# Altium PCB DesignProject_00.PcbDoc (part 1 of 2)
Units mil, origin at the board's own origin, x right, y up, seen from the top; angles counter-clockwise.
Board outline 3250 x 2010 mil, 2 copper layers (Top Layer, Bottom Layer); 143 components, 116 nets, 553 pads, 186 vias.
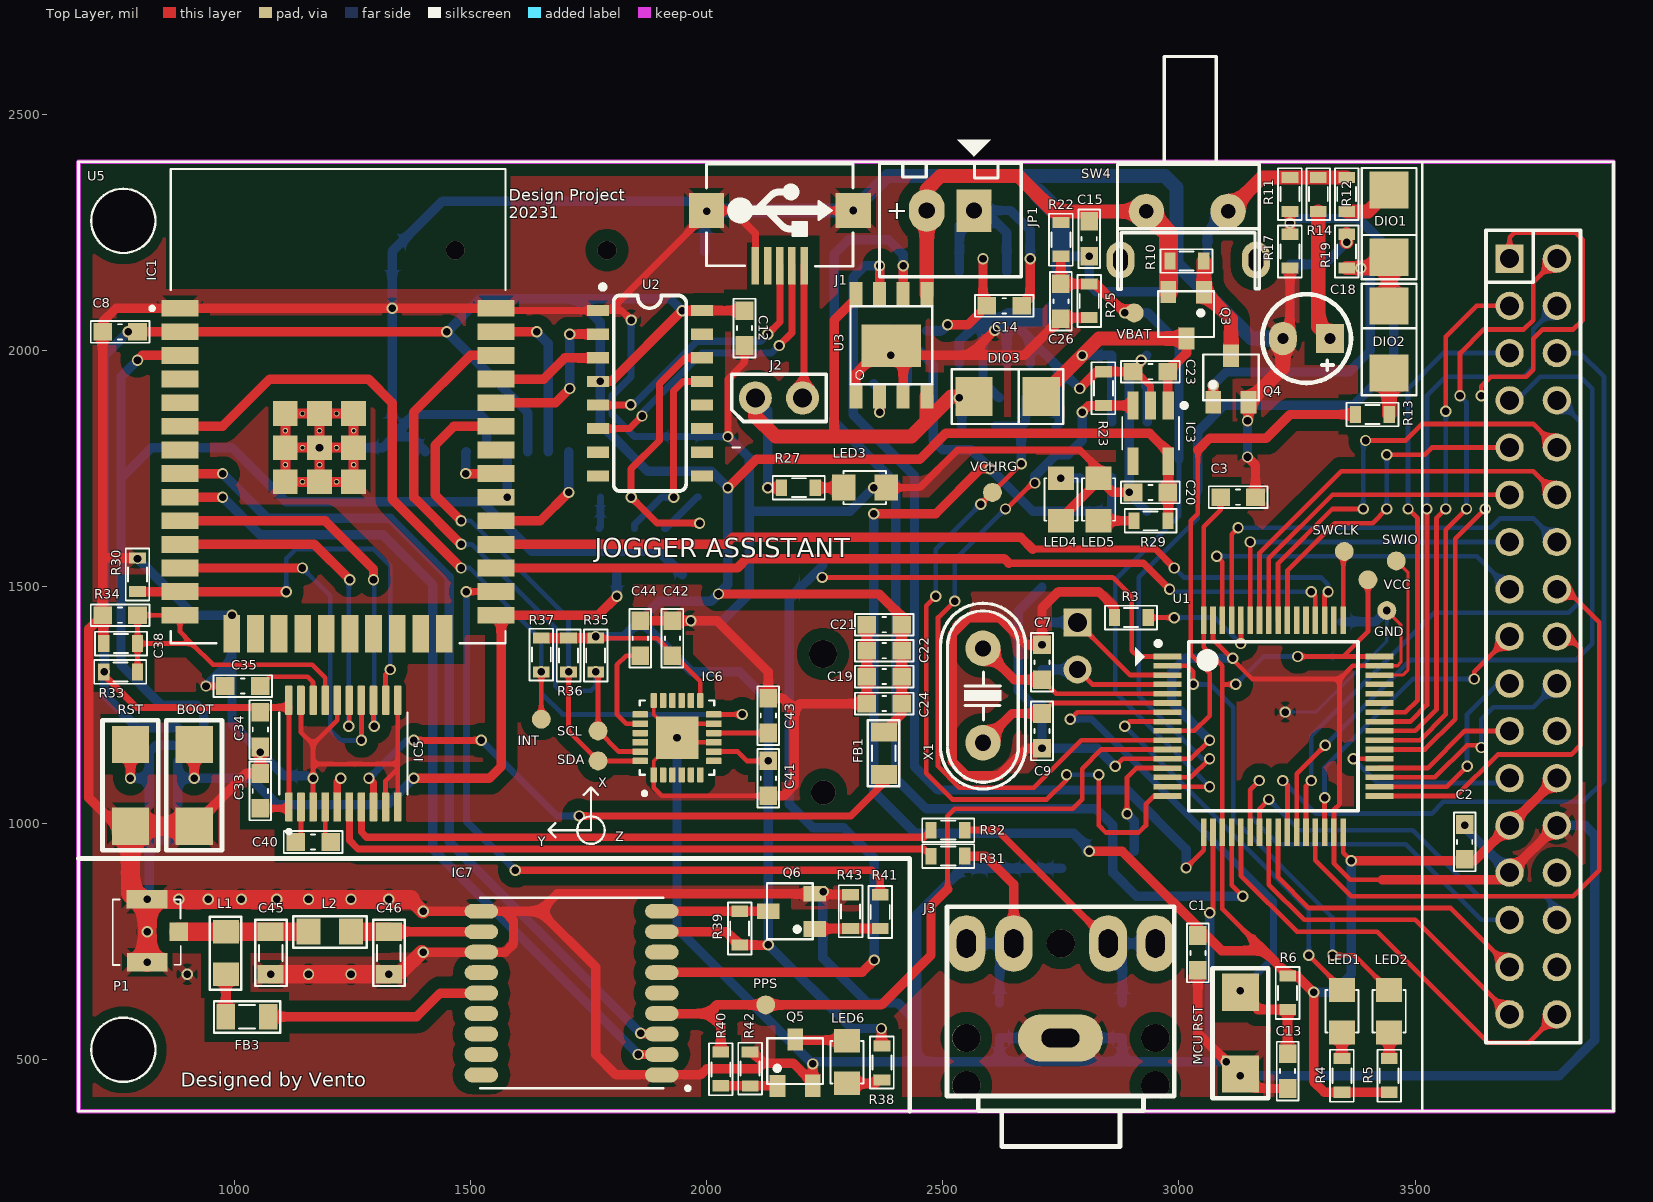
[diagram p0: Top Layer view]
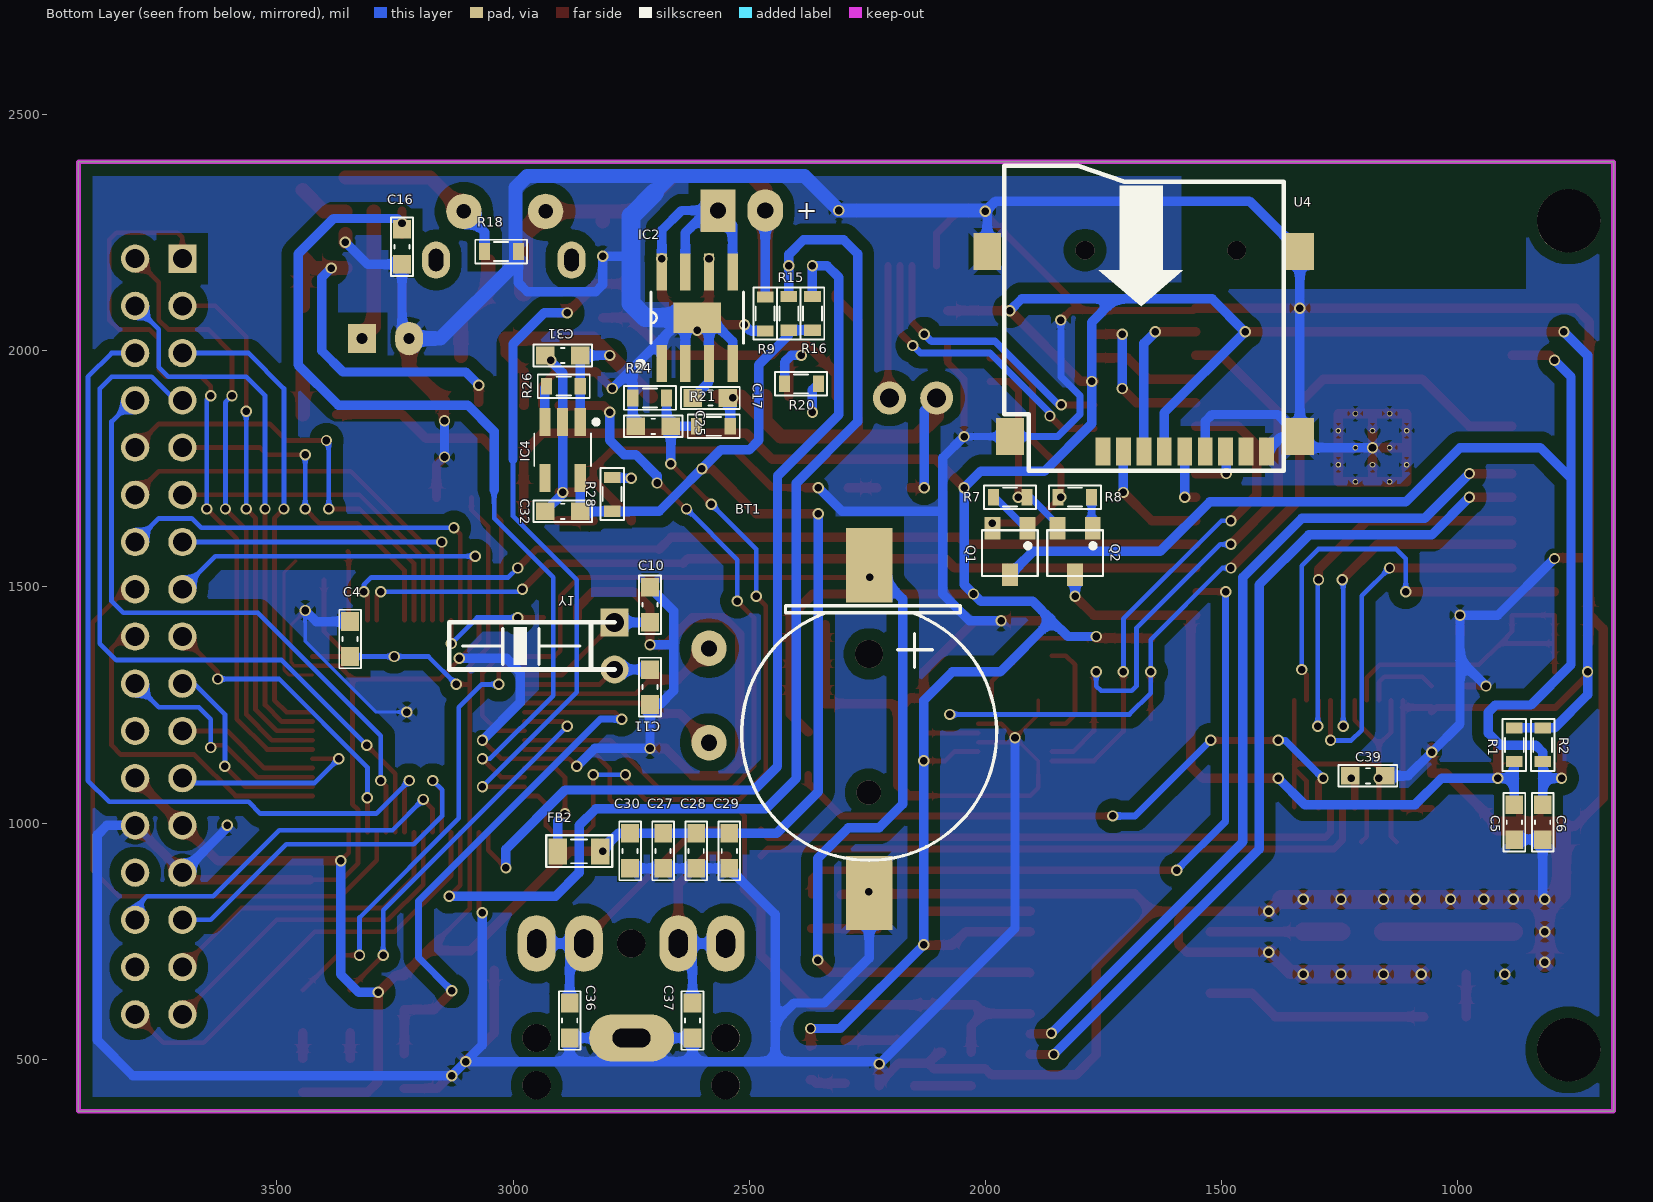
[diagram p1: Bottom Layer view, seen from below]
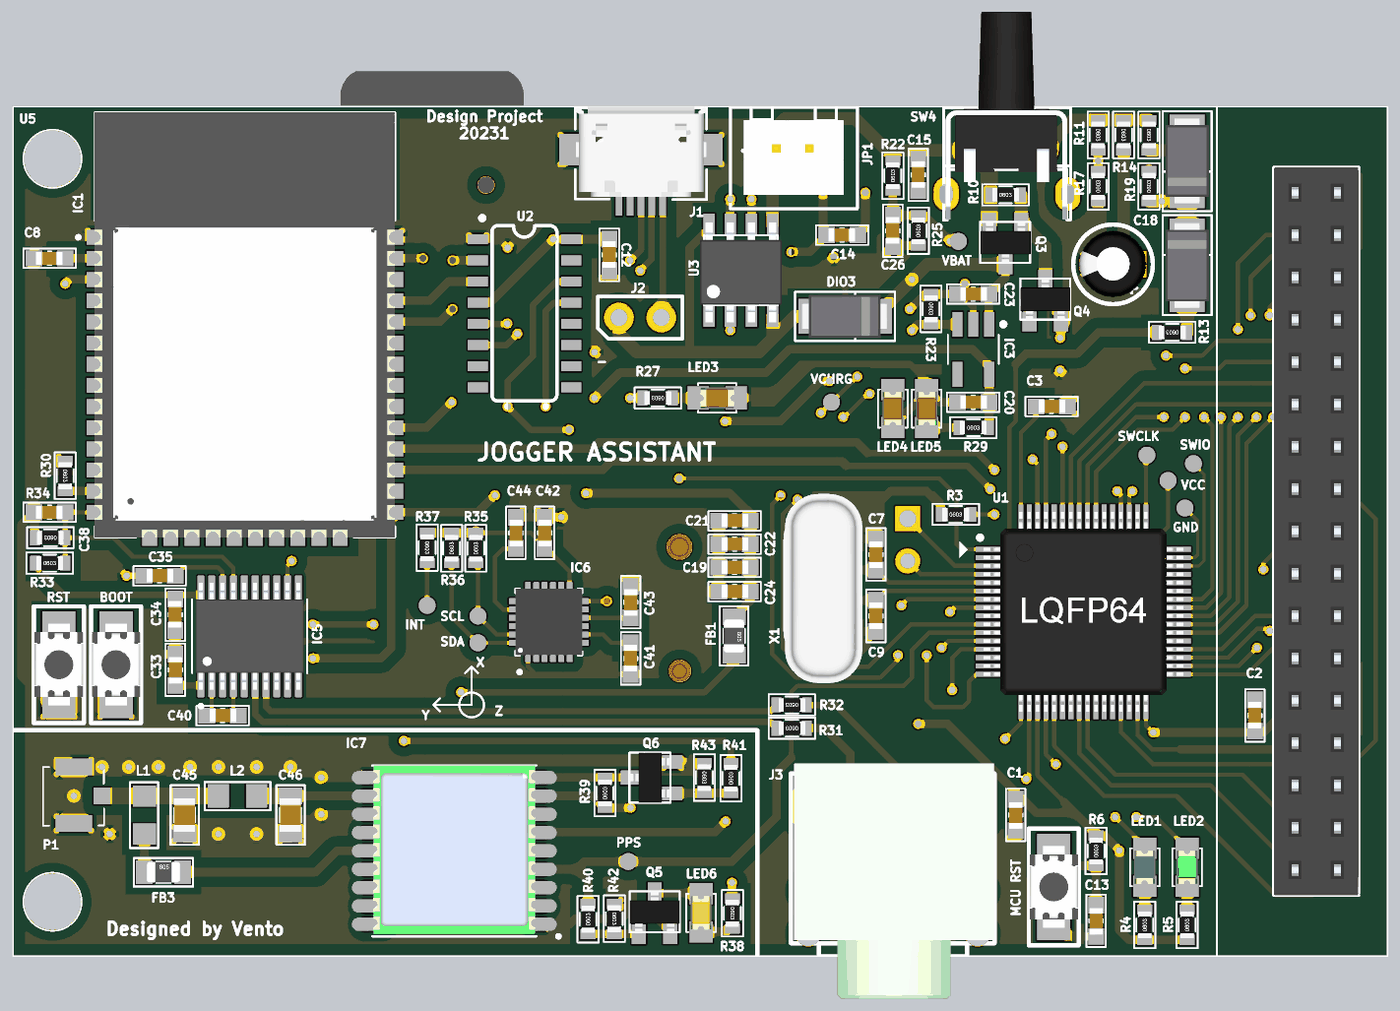
[diagram p3: 3D render of the assembled board from above, using the file's embedded part models]
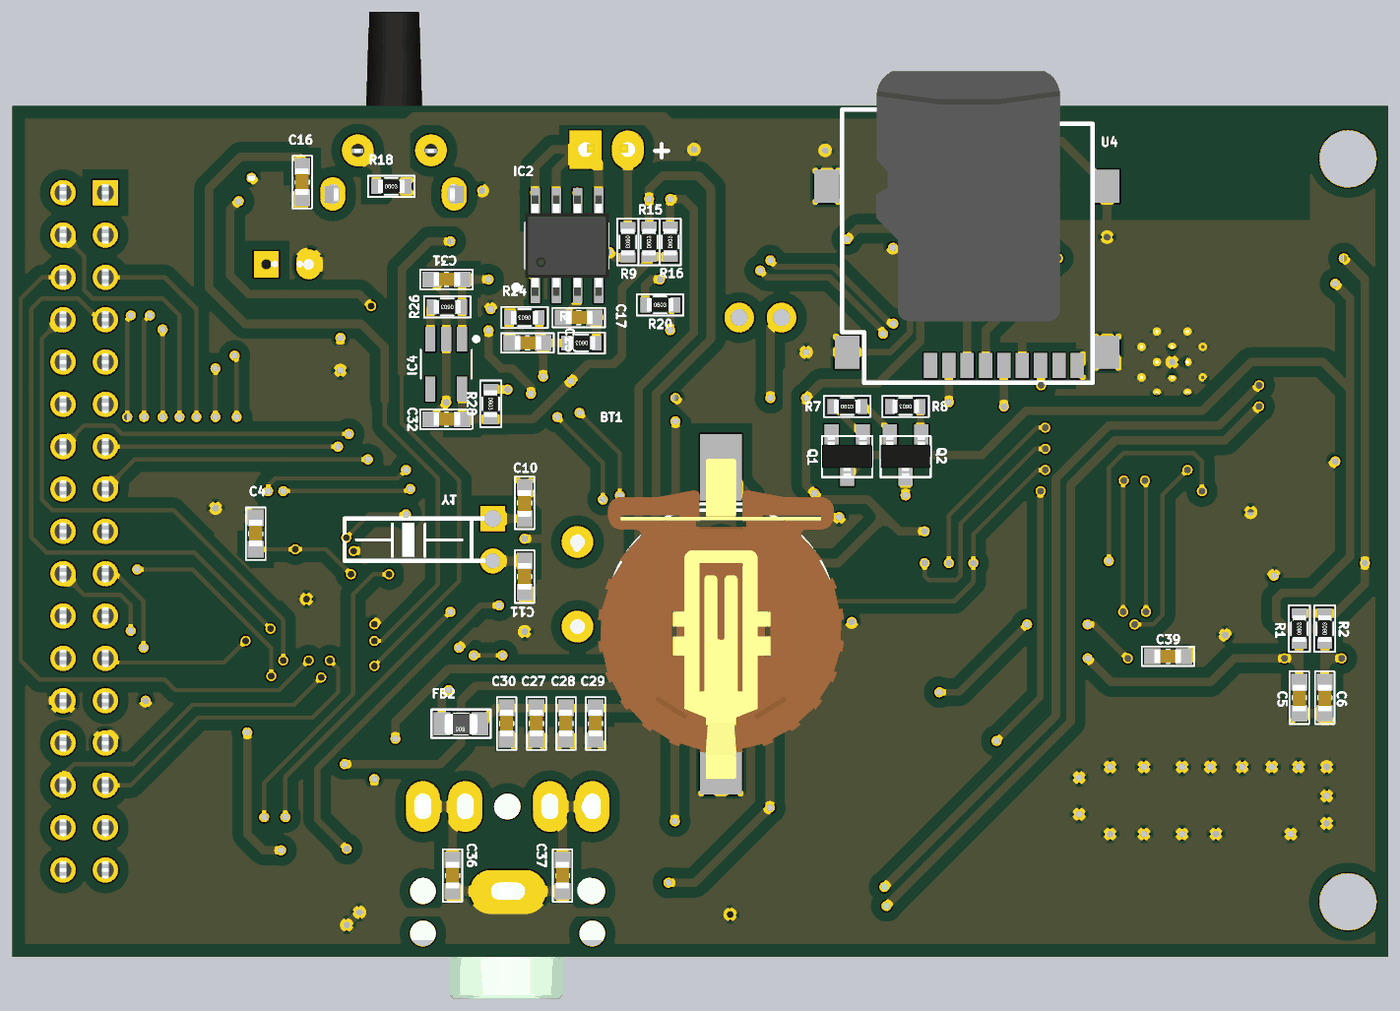
[diagram p4: 3D render of the assembled board from below, using the file's embedded part models]

## Layer stack, top to bottom
Top Solder: solder mask 0.4, Solder Resist, Dk 3.5
Top Layer: signal copper 1.4
Dielectric 1: dielectric 12.6, FR-4, Dk 4.8
Bottom Layer: signal copper 1.4
Bottom Solder: solder mask 0.4, Solder Resist, Dk 3.5

## Board outline
670,390 3920,390 3920,2400 670,2400

## Design rules (kind name [scope] priority, off if disabled: settings)
Clearance [All] p1: gap=25 ignorepadtopadclearanceinfootprint=TRUE except(0: Arc-Text Arc-Hole Track-Text Track-Hole SMDPad-Text SMDPad-Hole THPad-Text THPad-Hole Via-Text Via-Hole Fill-Text Fill-Hole Poly-Text Poly-Hole Region-Text Region-Hole Text-Text Text-Hole; 7: Arc-Arc Arc-Track Arc-SMDPad Track-Track Track-SMDPad SMDPad-SMDPad; 10: Arc-THPad Arc-Via Track-THPad Track-Via SMDPad-THPad SMDPad-Via THPad-THPad THPad-Via Via-Via)
DiffPairsRouting [All] p1: maxlimit=10 minlimit=10 mostfreqgap=10 toplayer_minwidth=15 toplayer_maxwidth=15 toplayer_prefwidth=15 bottomlayer_minwidth=15 bottomlayer_maxwidth=15 bottomlayer_prefwidth=15 maxuncoupledlength=500
PolygonConnect [All] p1: connectstyle=Relief reliefconductorwidth=15 reliefentries=4 polygonreliefangle="45 Angle" airgapwidth=10
RoutingVias [All] p1: holewidth=16 width=24 viastyle="Through Hole" minholewidth=16 minwidth=24 maxholewidth=20 maxwidth=30
SolderMaskExpansion [All] p1: expansion=4 istentingtop=FALSE
Width [All] p1: maxlimit=40 minlimit=7 preferedwidth=20
29 further rules are at their usual default settings.

## Classes and differential pairs
component class U_Sensor: C41 C42 C43 C44 IC6 INT R35 R36 R37 SCL SDA
component class U_Power: 2 BT1 C14 C15 C16 C17 C18 C19 C20 C21 C22 C23 C24 C25 C26 C27 C28 C29 C30 C31 C32 DIO1 DIO2 DIO3 FB1 FB2 IC2 IC3 IC4 JP1 LED3 LED4 LED5 Q3 Q4 R9 R10 R11 R12 R13 R14 R15 R16 R17 R18 R19 R20 R21 R22 R23 R24 R25 R26 R27 R28 R29 U3 VBAT VCHRG
component class U_MCUs: boot BOOT C1 C2 C3 C4 C5 C6 C7 C8 C9 C10 C11 C12 C13 GND IC1 J1 J2 LED1 LED2 "MCU RST" Q1 Q2 R1 R2 R3 R4 R5 R6 R7 R8 RST SWCLK SWIO U1 U2 VCC X1 Y1
component class U_GPS: C45 C46 FB3 IC7 L1 L2 LED6 P1 PPS Q5 Q6 R38 R39 R40 R41 R42 R43
component class U_Audio: C33 C34 C35 C36 C37 C38 C39 C40 IC5 J3 R30 R31 R32 R33 R34 U4
differential pair U: +U_P -U_N

## Components (designator, comment, footprint, x,y, rotation, side; value= is the part's Value field where it differs from the comment)
BOOT "SW" "SW 3x2x4" 915,1080 r90 top value="SW chip 2 pin" (schematic designator SW1)
BT1 "PIN 3V" "CR1220 SMD" 2255,1205 r0 bottom
C1 "100nF" CAP_0603 3040,725 r270 top value=33p
C2 "100nF" CAP_0603 3605,960 r90 top value=33p
C3 "100nF" CAP_0603 3125,1690 r0 top value=33p
C4 "100nF" CAP_0603 3345,1389.64 r90 bottom value=33p
C5 "100nF" CAP_0603 880,1002 r270 bottom value=33p
C6 "100nF" CAP_0603 820,1002 r270 bottom value=33p
C7 "33pF" CAP_0603 2710,1340.58 r270 top value=33p
C8 "10uF" CAP_0603 758,2040 r180 top value=33p
C9 "33pF" CAP_0603 2710,1195 r90 top value=33p
C10 "10pF" CAP_0603 2710,1462 r270 bottom value=33p
C11 "10pF" CAP_0603 2710,1288 r90 bottom value=33p
C12 "100nF" CAP_0603 2080,2048 r90 top value=33p
C13 "100nF" CAP_0603 3230,475 r270 top value=33p
C14 "100nF" CAP_0603 2630,2095 r180 top value=33p
C15 "10uF" CAP_0603 2810,2237 r90 top value=33p
C16 "10uF" CAP_0603 3235,2220 r90 bottom value=33p
C17 "10uF" CAP_0603 2582.03,1900 r180 bottom value=33p
C18 "22uF/10V" C3MM 3270,2025.78 r180 top
C19 "10uF" CAP_0603 2376.01,1310 r0 top value=33p
C20 "1uF" CAP_0603 2939.6,1700 r0 top value=33p
C21 "100nF" CAP_0603 2376.01,1420 r0 top value=33p
C22 "33pF" CAP_0603 2376.01,1364.83 r0 top value=33p
C23 "10uF" CAP_0603 2939.6,1955.55 r0 top value=33p
C24 "10uF" CAP_0603 2376.01,1252.83 r0 top value=33p
C25 "10uF" CAP_0603 2702.97,1840 r180 bottom value=33p
C26 "10uF" CAP_0603 2750,2105 r90 top value=33p
C27 "10uF" CAP_0603 2682.17,941 r90 bottom value=33p
C28 "1uF" CAP_0603 2612.17,941 r90 bottom value=33p
C29 "100nF" CAP_0603 2542.17,941 r90 bottom value=33p
C30 "33pF" CAP_0603 2752.17,941 r90 bottom value=33p
C31 "10uF" CAP_0603 2894.6,1990 r180 bottom value=33p
C32 "10uF" CAP_0603 2894.6,1660 r180 bottom value=33p
C33 "100nF" CAP_0603 1055,1068 r270 top value=33p
C34 "100nF" CAP_0603 1055,1198 r90 top value=33p
C35 "100nF" CAP_0603 1018,1290 r0 top value=33p
C36 "2.2nF" CAP_0603 2880,582 r90 bottom value=33p
C37 "2.2nF" CAP_0603 2620,582 r90 bottom value=33p
C38 "100nF" CAP_0603 758,1440 r180 top value=33p
C39 "2.2uF" CAP_0603 1190,1100 r0 bottom value=33p
C40 "2.2uF" CAP_0603 1166.69,960 r0 top value=33p
C41 "100nF" CAP_0603 2130.51,1094.57 r90 top value=33p
C42 "10nF" CAP_0603 1927.4,1391.49 r270 top value=33p
C43 "100nF" CAP_0603 2130.51,1227.63 r270 top value=33p
C44 "2.2nF" CAP_0603 1859.49,1391.49 r270 top value=33p
C45 "NC" CAP_0805 1077,724.92 r90 top value=33p
C46 "NC" CAP_0805 1327,724.92 r90 top value=33p
DIO1 "SS34" DIO-214AC(SMA) 3443,2266 r90 top value=1N5007
DIO2 "SS34" DIO-214AC(SMA) 3447,2026.8 r270 top value=1N5007
DIO3 "1N4007" DIO-214AC(SMA) 2640,1901 r180 top value=1N5007
FB1 "10R" RES-SMD-0805 2375.01,1147.83 r270 top
FB2 "10R" RES-SMD-0805 2860,940 r0 bottom
FB3 "10R" RES-SMD-0805 1027,589.92 r0 top
GND "TP" TP_SMD 3440,1450 r90 top (schematic designator TP4)
IC1 "ESP32-WROOM-32" MODULE_ESP32-WROOM-32 1219.65,1882.91 r0 top
IC2 "XB8688A" SOP8-PP 2610,2070 r90 bottom
IC3 "RT9013" SOT23-5 2940,1825 r270 top
IC4 "RT9013" SOT23-5 2895,1790 r270 bottom
IC5 "PCM5102APW" TSSOP-20 1230.67,1147.01 r90 top
IC6 "MPU6050" QFN24 1937.24,1180.79 r90 top
IC7 "GPS" L70 1714.06,640 r180 top
INT "TP" TP_SMD 1650,1220 r90 top (schematic designator TP7)
J1 "USB-5" USB-M1 2155,2180 r0 top
J2 "JP2" JP2-CLOSED 2103,1900 r90 top
J3 "Jac Phone2" JacPhone2 2750,645 r180 top
JP1 "JP2" CON2 2566,2296.84 r180 top value="Connector 2"
L1 "47nH" L-0805 982,724.92 r270 top value="150 mH"
L2 "0R" L-0805 1202,769.92 r0 top value="150 mH"
LED1 "LED" LED-0805-Blue 3345,556.49 r90 top value="LED 3 ly Single Colour"
LED2 "LED" LED-0805-Green 3445,556.49 r90 top value="LED 3 ly Single Colour"
LED3 "LED" LED-0805-Red 2290,1710 r0 top value="LED 3 ly Single Colour"
LED4 "LED" LED-0805-Red 2750,1730 r270 top value="LED 3 ly Single Colour"
LED5 "LED" LED-0805-Red 2830,1640 r90 top value="LED 3 ly Single Colour"
LED6 "LED" LED-0805-Orange 2297,448.77 r90 top value="LED 3 ly Single Colour"
"MCU RST" "SW" "SW 3x2x4" 3130,555 r90 top value="SW chip 2 pin" (schematic designator SW3)
P1 "Antenna" IPXS 865.66,770.32 r0 top
PPS "TP" TP_SMD 2125,615 r90 top (schematic designator TP10)
Q1 "2SC1815" SOT23D 1948,1575 r0 bottom value=C1815
Q2 "2SC1815" SOT23D 1810,1575 r0 bottom value=C1815
Q3 "AO3401" SOT23A 3016.2,2075 r180 top
Q4 "2SC1815" SOT23D 3110,1940 r0 top value=C1815
Q5 "2SC1815" SOT23D 2187.4,492.68 r0 top value=C1815
Q6 "2SC1815" SOT23D 2179.72,813.23 r90 top value=C1815
R1 "10k" RES-SMD-0603 880,1165 r90 bottom
R2 "10k" RES-SMD-0603 820,1165 r90 bottom
R3 "150k" RES-SMD-0603 2898.51,1435 r0 top
R4 "1k" RES-SMD-0603 3345,465 r90 top
R5 "1k" RES-SMD-0603 3445,465 r90 top
R6 "10k" RES-SMD-0603 3230,640 r90 top
R7 "10k" RES-SMD-0603 1948,1690 r180 bottom
R8 "10k" RES-SMD-0603 1810,1690 r0 bottom
R9 "1k" RES-SMD-0603 2466,2078.51 r270 bottom
R10 "150k" RES-SMD-0603 3016,2190 r0 top
R11 "500k" RES-SMD-0603 3235,2331.49 r270 top
R12 "10k" RES-SMD-0603 3355,2331.49 r270 top
R13 "10k" RES-SMD-0603 3410,1865 r180 top
R14 "150k" RES-SMD-0603 3295,2331.49 r270 top
R15 "150k" RES-SMD-0603 2416,2078.51 r90 bottom
R16 "150k" RES-SMD-0603 2366,2078.51 r90 bottom
R17 "1M5" RES-SMD-0603 3235,2210 r90 top
R18 "150k" RES-SMD-0603 3025,2210 r180 bottom
R19 "150k" RES-SMD-0603 3355,2210 r90 top
R20 "1k2" RES-SMD-0603 2390,1930 r180 bottom
R21 "150k" RES-SMD-0603 2575,1840 r0 bottom
R22 "500k" RES-SMD-0603 2750,2235 r90 top
R23 "150k" RES-SMD-0603 2840,1920.54 r270 top
R24 "150k" RES-SMD-0603 2710,1900 r0 bottom
R25 "1M5" RES-SMD-0603 2810,2105 r90 top
R26 "150k" RES-SMD-0603 2892.6,1925 r0 bottom
R27 "2k" RES-SMD-0603 2195,1710 r180 top
R28 "2k" RES-SMD-0603 2790,1696.49 r270 bottom
R29 "2k" RES-SMD-0603 2940.11,1640 r0 top
R30 "NC" RES-SMD-0603 795,1526.49 r270 top
R31 "470R" RES-SMD-0603 2511.49,930 r180 top
R32 "470R" RES-SMD-0603 2511.49,985 r180 top
R33 "500k" RES-SMD-0603 758.51,1320 r0 top
R34 "1M5" RES-SMD-0603 760,1380 r180 top
R35 "10k" RES-SMD-0603 1765,1355 r90 top
R36 "10k" RES-SMD-0603 1707.69,1355 r90 top
R37 "10k" RES-SMD-0603 1650,1356.49 r270 top
R38 "1k" RES-SMD-0603 2371,492.77 r270 top
R39 "150k" RES-SMD-0603 2070,776.74 r90 top
R40 "1k" RES-SMD-0603 2030,478.68 r90 top
R41 "4k7" RES-SMD-0603 2367.51,811.74 r90 top
R42 "47k" RES-SMD-0603 2092,479.95 r270 top
R43 "47k" RES-SMD-0603 2304.72,813.23 r270 top
RST "SW" "SW 3x2x4" 780,1080 r90 top value="SW chip 2 pin" (schematic designator SW2)
SCL "TP" TP_SMD 1770,1195 r90 top (schematic designator TP8)
SDA "TP" TP_SMD 1770,1131.57 r90 top (schematic designator TP9)
SW4 "SW" SW2-D2 3020,2295 r180 top value="SW chip 2 pin"
SWCLK "TP" TP_SMD 3350,1575 r90 top (schematic designator TP3)
SWIO "TP" TP_SMD 3460,1555 r90 top (schematic designator TP2)
U1 "STM32" "LQFP 64" 3200,1205 r0 top
U2 "CH340C" SOP-16 1880,1910 r270 top
U3 "TP4056" TP4056 2391,2011.73 r90 top
U4 "SD_CARD" MICROSD2 1665,1985 r180 bottom
U5 "LCD TFT" "LCD TFT 2.8\" Parallel 8/16-bit" 3750,1395 r270 top locked
VBAT "TP" TP_SMD 2905,2080 r90 top (schematic designator TP6)
VCC "TP" TP_SMD 3400,1515 r90 top (schematic designator TP1)
VCHRG "TP" TP_SMD 2605,1700 r90 top (schematic designator TP5)
X1 "8MHz" XT2 2585,1270 r90 top value=4Mhz
Y1 "32.768KHz" XTAL32K 2785,1425 r270 bottom

## Footprints (in the part's own frame and the unit in brackets; to place one, negate y for a bottom-side part, rotate by r counter-clockwise, add the part's x,y. Pads: shape width x height; smd on the part's side, far side on the other; paste and mask are expansions set on the pad)
C3MM [mm]
  rect 1.5x1.58 hole 0.6: 1(-1.27,0)
  oval 1.5x1.8 hole 0.6: 2(1.27,0)
  silkscreen extent -2.39,-2.39 2.39,2.39, body extent -2,-2.03 1.99,1.97, height 7.01
CAP_0603 [mm]
  rect 1x0.95 smd mask+0.076: 1(-0.94,0) 2(0.94,0)
  silkscreen extent -1.57,-0.58 1.57,0.58, body extent -0.77,-0.39 0.83,0.41, height 0.9
CAP_0805 [mil]
  rect 39.37x55 smd: 1(-45,0) 2(45,0)
  silkscreen extent -70,-34 70,33, body extent -40,-25 40,25, height 24
CON2 [mil] "CON2"
  rect 75x90 hole 34: 1(0,0)
  oval 75x90 hole 34: 2(100,0)
  silkscreen extent -100,-150 200,140, body extent -68,-70 168,107, height 236
"CR1220 SMD" [mil] "CR1220 SMD"
  rect 98.43x157.48 smd: 1(-9,-341) 2(-9,353)
  silkscreen extent -279,-255 261,284, body extent -299,-362 281,394, height 179
DIO-214AC(SMA) [mm] "DO-214AC Diode Smallest Size"
  rect 2x2.1 smd: 1(1.88,-0.051) 2(-1.732,-0.051)
  silkscreen extent -2.92,-1.52 3.07,1.42, body extent -2.5,-1.35 2.7,1.25, height 2.4
IPXS [mm] "SOT 23 _ 1-3-2"
  rect 1x1 smd: 1(0.415,-0.01)
  rect 2.2x1 smd: 2(-1.273,-1.658) 3(-1.278,1.73)
  silkscreen extent -3.13,-1.79 0.53,1.73, body extent -2.83,-1.49 0.31,1.56, height 1.55
JacPhone2 [mil] "Jac Phone Stereo"
  round 60 hole 60: 0(-200,200) 0(-200,100) 0(0,-100) 0(200,200) 0(200,100)
  oval 80x120 hole 40 slot 60 at 90 deg: 1(-200,-100) 2(-100,-100) 3(100,-100) 4(200,-100)
  oval 180x100 hole 40 slot 80 at 0 deg: 5(1,100)
  silkscreen extent -240,-178 241,330, body extent -239,-202 233,354, height 394
JP2-CLOSED [mil]
  round 70 hole 40: 1(0,0) 2(0,-100)
  silkscreen extent -50,-150 50,50, body extent -50,-152 50,50, height 300
L70 [mm]
  oval 1.8x0.8 smd paste-2: 1(-4.85,4.4) 2(-4.85,3.3) 3(-4.85,2.2) 4(-4.85,1.1) 5(-4.85,0) 6(-4.85,-1.1) 7(-4.85,-2.2) 8(-4.85,-3.3) 9(-4.85,-4.4) 10(4.85,-4.4) 11(4.85,-3.3) 12(4.85,-2.2) 13(4.85,-1.1) 14(4.85,0) 15(4.85,1.1) 16(4.85,2.2) 17(4.85,3.3) 18(4.85,4.4)
  silkscreen extent -6.35,-5.13 4.92,5.22, body extent -4.86,-5.13 4.86,4.98, height 2.5
L-0805 [mil] "Compoment SMD 80x50mil"
  rect 50x55 smd: 1(-45,0) 2(45,0)
  silkscreen extent -77,-34 78,33, body extent -50,-20 50,20, height 43
"LCD TFT 2.8\" Parallel 8/16-bit" [mm]
  rect 1.52x1.52 hole 1.02: 1(-20.32,-1.27)
  round 1.52 hole 1.02: 2(-17.78,-1.27) 3(-15.24,-1.27) 4(-12.7,-1.27) 5(-10.16,-1.27) 6(-7.62,-1.27) 7(-5.08,-1.27) 8(-2.54,-1.27) 9(0,-1.27) 10(2.54,-1.27) 11(5.08,-1.27) 12(7.62,-1.27) 13(10.16,-1.27) 14(12.7,-1.27) 15(15.24,-1.27) 16(17.78,-1.27) 17(20.32,-1.27) 18(20.32,1.27) 19(17.78,1.27) 20(15.24,1.27) 21(12.7,1.27) 22(10.16,1.27) 23(7.62,1.27) 24(5.08,1.27) 25(2.54,1.27) 26(0,1.27) 27(-2.54,1.27) 28(-5.08,1.27) 29(-7.62,1.27) 30(-10.16,1.27) 31(-12.7,1.27) 32(-15.24,1.27) 33(-17.78,1.27) 34(-20.32,1.27)
  round 3.4 hole 3.4: ""(-22.352,-75.819) ""(22.225,-75.819)
  silkscreen extent -25.53,-78.23 25.53,4.32, body extent -21.84,-2.54 21.84,2.54, height 8.51
LED-0805-Blue [mil]
  rect 50x55 smd: 1(0,0) 2(90,0)
  silkscreen extent 0,-35 90,35, body extent 5,-25 85,25, height 43
LED-0805-Green [mil]
  rect 50x55 smd: 1(0,0) 2(90,0)
  silkscreen extent 0,-35 90,35, body extent 5,-25 85,25, height 43
LED-0805-Orange [mil]
  rect 50x55 smd: 1(0,0) 2(90,0)
  silkscreen extent 0,-35 90,35, body extent 5,-25 85,25, height 43
LED-0805-Red [mil]
  rect 50x55 smd: 1(0,0) 2(90,0)
  silkscreen extent 0,-35 90,35, body extent 5,-25 85,25, height 43
"LQFP 64" [mm] "QFP,0.50mm pitch,square;16 pin X 16 pin,10.00mm X 10.00mm X 1.60mm H body"
  rect 1.5x0.3 smd: 1(-5.7,3.75) 2(-5.7,3.25) 3(-5.7,2.75) 4(-5.7,2.25) 5(-5.7,1.75) 6(-5.7,1.25) 7(-5.7,0.75) 8(-5.7,0.25) 9(-5.7,-0.25) 10(-5.7,-0.75) 11(-5.7,-1.25) 12(-5.7,-1.75) 13(-5.7,-2.25) 14(-5.7,-2.75) 15(-5.7,-3.25) 16(-5.7,-3.75) 33(5.7,-3.75) 34(5.7,-3.25) 35(5.7,-2.75) 36(5.7,-2.25) 37(5.7,-1.75) 38(5.7,-1.25) 39(5.7,-0.75) 40(5.7,-0.25) 41(5.7,0.25) 42(5.7,0.75) 43(5.7,1.25) 44(5.7,1.75) 45(5.7,2.25) 46(5.7,2.75) 47(5.7,3.25) 48(5.7,3.75)
  rect 0.3x1.5 smd: 17(-3.75,-5.7) 18(-3.25,-5.7) 19(-2.75,-5.7) 20(-2.25,-5.7) 21(-1.75,-5.7) 22(-1.25,-5.7) 23(-0.75,-5.7) 24(-0.25,-5.7) 25(0.25,-5.7) 26(0.75,-5.7) 27(1.25,-5.7) 28(1.75,-5.7) 29(2.25,-5.7) 30(2.75,-5.7) 31(3.25,-5.7) 32(3.75,-5.7) 49(3.75,5.7) 50(3.25,5.7) 51(2.75,5.7) 52(2.25,5.7) 53(1.75,5.7) 54(1.25,5.7) 55(0.75,5.7) 56(0.25,5.7) 57(-0.25,5.7) 58(-0.75,5.7) 59(-1.25,5.7) 60(-1.75,5.7) 61(-2.25,5.7) 62(-2.75,5.7) 63(-3.25,5.7) 64(-3.75,5.7)
  silkscreen extent -7.44,-4.55 4.55,4.57, body extent -6,-6 6,6, height 1.5
MICROSD2 [mm]
  rect 0.8x1.5 smd: 1(-2.184,-5.039) 2(-1.084,-5.039) 3(0.016,-5.039) 4(1.116,-5.039) 5(2.216,-5.039) 6(3.316,-5.039) 7(4.416,-5.039) 8(5.516,-5.039) 9(6.616,-5.039)
  rect 1.5x2 smd: 10(8.407,-4.235) 11(8.407,5.715) 12(-8.407,5.715) 13(-7.188,-4.235)
  silkscreen extent -7.49,-6.07 7.54,10.33, body extent -7.49,-4.56 7.54,12.62, height 1.85
MODULE_ESP32-WROOM-32 [mm]
  rect 2x0.9 smd: 1(-8.5,5.26) 2(-8.5,3.99) 3(-8.5,2.72) 4(-8.5,1.45) 5(-8.5,0.18) 6(-8.5,-1.09) 7(-8.5,-2.36) 8(-8.5,-3.63) 9(-8.5,-4.9) 10(-8.5,-6.17) 11(-8.5,-7.44) 12(-8.5,-8.71) 13(-8.5,-9.98) 14(-8.5,-11.25) 25(8.5,-11.25) 26(8.5,-9.98) 27(8.5,-8.71) 28(8.5,-7.44) 29(8.5,-6.17) 30(8.5,-4.9) 31(8.5,-3.63) 32(8.5,-2.36) 33(8.5,-1.09) 34(8.5,0.18) 35(8.5,1.45) 36(8.5,2.72) 37(8.5,3.99) 38(8.5,5.26)
  rect 0.9x2 smd: 15(-5.715,-12.25) 16(-4.445,-12.25) 17(-3.175,-12.25) 18(-1.905,-12.25) 19(-0.635,-12.25) 20(0.635,-12.25) 21(1.905,-12.25) 22(3.175,-12.25) 23(4.445,-12.25) 24(5.715,-12.25)
  rect 1.33x1.33 smd: 39_1(-2.835,-0.405) 39_2(-1,-0.405) 39_3(0.835,-0.405) 39_4(-2.835,-2.24) 39_5(-1,-2.24) 39_6(0.835,-2.24) 39_7(-2.835,-4.075) 39_8(-1,-4.075) 39_9(0.835,-4.075)
  round 0.3 hole 0.2: 39_10(-1.917,-0.405) 39_11(-0.082,-0.405) 39_12(-2.835,-1.322) 39_13(-1,-1.322) 39_14(0.835,-1.322) 39_15(-1.917,-2.24) 39_16(-0.082,-2.24) 39_17(-2.835,-3.157) 39_18(-1,-3.157) 39_19(0.835,-3.157) 39_20(-1.917,-4.075) 39_21(-0.082,-4.075)
  silkscreen extent -10.1,-12.75 9,12.75, body extent -9.02,-12.75 8.98,12.75, height 3.2
QFN24 [mm]
  rrect25% 0.8x0.35 smd: 1(-2,1.25) 2(-2,0.75) 3(-2,0.25) 4(-2,-0.25) 5(-2,-0.75) 6(-2,-1.25) 13(2,-1.25) 14(2,-0.75) 15(2,-0.25) 16(2,0.25) 17(2,0.75) 18(2,1.25)
  rrect25% 0.35x0.85 smd: 7(-1.25,-1.975) 8(-0.75,-1.975) 9(-0.25,-1.975) 10(0.25,-1.975) 11(0.75,-1.975) 12(1.25,-1.975) 19(1.25,1.975) 20(0.75,1.975) 21(0.25,1.975) 22(-0.25,1.975) 23(-0.75,1.975) 24(-1.25,1.975)
  rect 2.286x2.286 smd paste-2: 25(0,0)
  silkscreen extent -3.1,-2 2,2, body extent -2,-2.01 2.01,2.01, height 0.9
RES-SMD-0603 [mm]
  rect 0.6x0.9 smd: 1(-0.889,0) 2(0.927,0)
  silkscreen extent -1.4,-0.64 1.4,0.64, body extent -0.8,-0.4 0.8,0.4, height 0.43
RES-SMD-0805 [mil]
  rect 39.37x55 smd: 1(-45,0) 2(45,0)
  silkscreen extent -70,-34 70,33, body extent -39,-25 39,25, height 31
SOP8-PP [mil]
  rect 78x22 smd: 1(-96.99,75.01) 2(-96.99,25.01) 3(-96.99,-24.99) 4(-96.99,-74.99) 5(97.01,-74.99) 6(97.01,-24.99) 7(97.01,25.01) 8(97.01,75.01)
  rect 64x100 smd: 9(0,0)
  silkscreen extent -100,-98 54,121, body extent -119,-99 119,99, height 63
SOP-16 [mm]
  rect 0.6x1.2 smd: 1(-4.445,-2.8) 2(-3.175,-2.8) 3(-1.905,-2.8) 4(-0.635,-2.8) 5(0.635,-2.8) 6(1.905,-2.8) 7(3.175,-2.8) 8(4.445,-2.8) 9(4.445,2.8) 10(3.175,2.8) 11(1.905,2.8) 12(0.635,2.8) 13(-0.635,2.8) 14(-1.905,2.8) 15(-3.175,2.8) 16(-4.445,2.8)
  silkscreen extent -5.84,-2.67 5.26,1.95, body extent -4.95,-3.47 4.95,3.47, height 1.75
SOT23-5 [mm] "SOT23, 5-Leads, Body 3.0x3.0mm (max), Pitch 0.95mm, IPC Medium Density"
  rect 1.5x0.6 smd: 1(-1.5,0.95) 2(-1.5,0) 3(-1.5,-0.95) 4(1.5,-0.95) 5(1.5,0.95)
  silkscreen extent -1.62,-1.52 0.87,1.93, body extent -1.75,-1.52 1.75,1.53, height 1.45
SOT23A [mm] "SOT 23A"
  rect 0.85x1.2 smd: 1(-0.94,-1.245) 2(0.005,1.25) 3(0.985,-1.25)
  silkscreen extent -1.47,-1.3 1.52,1.17, body extent -1.5,-1.3 1.5,1.2, height 1.06
SOT23D [mm] "SOT 23C - 1-3-2 - BCE"
  rect 0.85x1.2 smd: 1(-0.95,-1.25) 2(0.94,-1.245) 3(0,1.25)
  silkscreen extent -1.5,-1.14 1.5,1.32, body extent -1.5,-1.17 1.5,1.33, height 1.06
SW2-D2 [mil] "SW button 2pin, 300x 300 x 250 mil"
  round 75 hole 31: 1(-84,0) 2(89,0)
  oval 59.06x78.74 hole 31 slot 47.24 at 90 deg: G1(-143,103) G2(144,103)
  silkscreen extent -150,-328 150,165, body extent -163,-327 167,163, height 290
"SW 3x2x4" [mm]
  rect 2x2 smd: 1(-2.2,0) 2(2.2,0)
  silkscreen extent -3.5,-1.5 3.5,1.5, body extent -2.45,-1.45 2.45,1.45, height 2
TP4056 [mm]
  rect 1.3x0.7 smd: 1(-2.75,1.905) 2(-2.75,0.635) 3(-2.75,-0.635) 4(-2.75,-1.905) 5(2.75,-1.905) 6(2.75,-0.635) 7(2.75,0.635) 8(2.75,1.905)
  rect 2.3x3.2 smd: 3(-0.025,0)
  silkscreen extent -2.1,-2.2 2.1,2.2, body extent -3.13,-2.45 2.87,2.45, height 1.75
TP_SMD [mil]
  round 40 smd: 1(0,0)
TSSOP-20 [mm] "TSSOP-20"
  rrect25% 1.57x0.41 smd: 1(-2.87,2.925) 2(-2.87,2.275) 3(-2.87,1.625) 4(-2.87,0.975) 5(-2.87,0.325) 6(-2.87,-0.325) 7(-2.87,-0.975) 8(-2.87,-1.625) 9(-2.87,-2.275) 10(-2.87,-2.925) 11(2.87,-2.925) 12(2.87,-2.275) 13(2.87,-1.625) 14(2.87,-0.975) 15(2.87,-0.325) 16(2.87,0.325) 17(2.87,0.975) 18(2.87,1.625) 19(2.87,2.275) 20(2.87,2.925)
  silkscreen extent -4.29,-3.45 2.2,3.45, body extent -3.2,-3.25 3.2,3.25, height 1.2
USB-M1 [mm]
  rect 0.4x2 smd: 1(1.3,0) 2(0.65,0) 3(0,0) 4(-0.65,0) 5(-1.321,0)
  rect 1.9x1.9 smd: 5(-3.95,2.968) 5(3.95,2.968)
  silkscreen extent -3.94,-0.03 3.94,5.46, body extent -3.98,0.11 4,5.54, height 2.71
XT2 [mil] "Footpin for Crystal 2 pin"
  round 75 hole 34: 1(-100,0) 2(100,0)
  silkscreen extent -198,-90 195,90, body extent -233,-93 213,90, height 138
XTAL32K [mm] "Connector; Header; 2 Position"
  rect 1.5x1.5 hole 1.016: 1(0,0)
  round 1.5 hole 0.9: 2(2.54,0)
  silkscreen extent 0,-8.89 2.54,0, body extent -0.55,-8.96 3.05,0.26, height 3.8

## Part data
BOOT "MCU RST" RST SW4: library part SW2, "Switch button 2 pin"
BT1: "Battery 3VDC"
C1 C2 C3 C4 C5 C6 C7 C8 C9 C10 C11 C12 C13 C14 C15 C16 C17 C19 C20 C21 C22 C23 C24 C25 C26 C27 C28 C29 C30 C31 C32 C33 C34 C35 C36 C37 C38 C39 C40 C41 C42 C43 C44 C45 C46: library part CapSMD, "Capacitor", LatestRevisionDate=17-Jul-2002, LatestRevisionNote="Re-released for DXP Platform.", PackageReference=RAD-0.3, Published=8-Jun-2000, Publisher="Altium Limited"
C18: library part "Cap Pol", "Polarized Capacitor (Axial)", LatestRevisionDate=17-Jul-2002, LatestRevisionNote="Re-released for DXP Platform.", PackageReference=POLAR0.8, Published=8-Jun-2000, Publisher="Altium Limited"
DIO1 DIO2 DIO3: library part "Diode SMD", "Default Diode", Code - JEDEC=DO-214-AB, Published=8-Jun-2000, Publisher="Altium Limited", Revision="July-2002: Re-released for DXP Platform."
FB1 FB2 FB3: library part "Ferrit Bead", "Generic Ferrit Bead"
GND INT PPS SCL SDA SWCLK SWIO VBAT VCC VCHRG: "CONNECT 1"
IC1: "Bluetooth, WiFi Transceiver Module 2.4GHz ~ 2.5GHz Surface Mount", Package="Module Espressif Systems", Digi-Key_Part_Number=1904-1010-1-ND, Digi-Key_Purchase_URL=https://www.digikey.com/product-detail/en/espressif-systems/ESP32-WROOM-32/1904-1010-1-ND/8544305?utm_source=snapeda&utm_medium=aggregator&utm_campaign=symbol, MF="Espressif Systems", MP=ESP32-WROOM-32, SnapEDA_Link=https://www.snapeda.com/parts/ESP32-WROOM-32/Espressif%20Systems/view-part/2753322/?ref=snap
IC2: library part XB8688, "One Cell Lithium-ion/Polymer Battery Protection IC"
IC3 IC4: "RT9013-33GB IC REG LINEAR 3.3V 500mA SOT23-5"
IC5: "Audio decode"
IC6: library part MPU6050_Chip, "3-axis gyroscope, 3-axis accelerometer"
IC7: library part L70, "Quectel GPS IC"
J1: Manufacturer=FCI, Manufacturer Part Number=10118193-0001LF, Supplier Part Number 1=609-4616-1-ND, .Checked PCB=RF, .Checked SCH=MM, .Creator=MM, Category="Connectors, Interconnects", ComponentLink1Description=http://portal.fciconnect.com/Comergent//fci/drawing/10118193.pdf, ComponentLink1URL=http://portal.fciconnect.com/Comergent//fci/drawing/10118193.pdf, Connector Type="USB - micro B", Features="Shielded, Solder Retention", Gender=Receptacle, Ingress Protection=-, Mounting Type="Surface Mount, Right Angle, Horizontal", Number of Contacts=5, Packaging="Cut Tape (CT)", Pricing 1="1=0.46, 10=0.433, 25=0.3712, 50=0.3156, 100=0.3032, 250=0.27224, 500=0.25988 (USD)", RoHS="RoHS Compliant", Specifications="USB 2.0", Stock 1=28642, Supplier 1=Digi-Key
J2: "WR-PHD 2.54 mm Angled Socket Header", Manufacturer="W¨¹rth Elektronik eiSos GmbH", partNo=613002143121, ComponentLink1 Description=Manufacturer, ComponentLink1URL=http://www.we-online.com, ComponentLink2 Description=Datasheet, ComponentLink2URL=http://katalog.we-online.de/em/datasheet/6130xx143121.pdf, Created by="Karrer Zheng", Created Date="29 March 2013", NoPins=02
J3: "Jac Phone Stereo", Creat by=VanDungEvn@Gmail.com
JP1: library part Con2, "Connector 2"
L1 L2: library part "Inductor Ferit", "Inductor"
LED1 LED2 LED3 LED4 LED5 LED6: "LED Single colour Green and Red"
P1: library part IPXSx66, "Antenna GSM GPS"
Q1 Q2 Q4 Q5 Q6: library part C1815, "NPN 600mW, ECB"
Q3: library part MOSFET_P, "Generic P Channel MOSFET"
R1 R2 R3 R4 R5 R6 R7 R8 R9 R10 R11 R12 R13 R14 R15 R16 R17 R18 R19 R20 R21 R22 R23 R24 R25 R26 R27 R28 R29 R30 R31 R32 R33 R34 R35 R36 R37 R38 R39 R40 R41 R42 R43: library part "Resistor - SMD", "Resistor SMD", Manufacturer="Generic Components", Class=Passive, Published=08/06/2000, Publisher="Altium Hobart Technology Centre"
U1: library part STM32F103RCT6, "STM32 ARM-based 32-bit MCU 72MHz 256KB"
U2: "USB to serial chip CH340", Package=Package, Availability=Unavailable, Check_prices=https://www.snapeda.com/parts/CH340C/WCH/view-part/5428851/?ref=eda, MF=WCH, MP=CH340C, Price=None, SnapEDA_Link=https://www.snapeda.com/parts/CH340C/WCH/view-part/5428851/?ref=snap
U3: "Complete single cell Li-Ion battery with a constant current / constant voltage linear charger"
U4: library part MicroSD, "SD/MMC holder", Name=SD/MMC, Price=10000
U5: library part "LCD TFT 16-bit", "LCD TFT 16-bit"
X1: library part XT2, "Crystal For all Crystal 2pin."
Y1: library part XTAL/32KHz, "Crystal Oscillator", LatestRevisionDate=17-Jul-2002, LatestRevisionNote="Re-released for DXP Platform.", PackageReference=R38, Published=8-Jun-2000, Publisher="Altium Limited"

## Via types
v1: diameter 24, hole 16, Top Layer to Bottom Layer, 182 vias
v2: diameter 39.37, hole 39.37, Top Layer to Bottom Layer, 2 vias
v3: diameter 51.18, hole 51.18, Top Layer to Bottom Layer, 1 vias
v4: diameter 59.06, hole 59.06, Top Layer to Bottom Layer, 1 vias

## Nets (pads, with @x,y where several pads share a name; then routed paths per layer and width w, separated by ;. In a path a pad name is that pad's centre, name@x,y a point inside that pad or via, vN(x,y) a via of type N, cw(c..) or ccw(c..) an arc to the next point about the centre after c; other vN are vias at no path point)
1PPS: IC7.4 PPS.1 R40.2 U1.11 | length 1585.1
  Top Layer w10: 2510,860 2510,1015 2525,1030 2775,1030 2795,1050 2795,1115 2835.79,1155.79 U1.11@2975.59,1155.79
  Top Layer w20: IC7.4@1905,596.69 2003.31,596.69 ; R40.2@2030,515.17 2030,570 2003.31,596.69 ; 2510,860 2475,825 2475,720 2370,615 2021.61,615 2003.31,596.69
A0: C16.2 R11.2 R17.2 U1.14 | length 1946.6
  Top Layer w10: U1.14@2975.59,1096.73 3025.36,1096.73 v1(3064.73,1136.1)
  Top Layer w20: R17.2@3235,2246.49 v1(3235,2270) R11.2@3235,2295
  Bottom Layer w10: 3040,1705 3040,1645 2915,1520 2915,1270 3048.9,1136.1 v1(3064.73,1136.1)
  Bottom Layer w20: 3040,1705 3040,1829.05 3095.95,1885 3370,1885 3455,1970 3455,2205 3380,2280 3245,2280 v1(3235,2270) C16.2@3235,2257
A1: C26.2 R22.1 R25.2 U1.15 VBAT.1 | length 1545.9
  Top Layer w10: U1.15@2975.59,1077.05 v1(3064.73,1077.05)
  Top Layer w20: R22.1@2750,2200 C26.2@2750,2142 2750.51,2141.49 R25.2@2810,2141.49 2823.51,2141.49 v1(2885,2080) VBAT.1@2905,2080
  Bottom Layer w10: 3000,1770 3000,1650 2865,1515 2865,1276.78 v1(3064.73,1077.05)
  Bottom Layer w20: v1(2885,2080) 2934.3,2080 3000,2014.3 3000,1770
A2: C25.2 R21.2 R24.1 U1.16 VCHRG.1 | length 1669.8
  Top Layer w10: v1(2485,1480) 2465,1460 2465,1105 2520,1050 2720,1050 2762,1092 v1(2762,1102) ; v1(2580,1675) 2580.47,1675 v1(2665.97,1760.5) ; v1(2830,1102) 2830,995 2845,980 2915,980 2930,995 2930,1040 2947.36,1057.36 U1.16@2975.59,1057.36
  Bottom Layer w10: v1(2485,1480) 2485,1580 v1(2580,1675) ; v1(2762,1102) v1(2830,1102)
  Bottom Layer w20: R21.2@2611.49,1840 C25.2@2665.97,1840 ; v1@2665.47,1760 v1(2665.97,1760.5) C25.2@2665.97,1840 ; R24.1@2675,1900 2675,1849.03 C25.2@2665.97,1840
A3: R16.2 U1.17 U3.7 | length 2058.6
  Top Layer w10: v1(3015,905) 3052.36,942.36 U1.17@3052.36,980.59
  Top Layer w20: U3.7@2366,2120 v1(2366,2180)
  Bottom Layer w20: R16.2@2366,2115 v1(2366,2180) 2335,2180 2310,2155 2310,1865 2440,1735 2440,1565 2440,1120 2490,1070 2889.72,1070 3015,944.72 v1(3015,905)
A4: R15.2 U1.20 U3.6 | length 2526.6
  Top Layer w10: U1.20@3111.42,980.59 3111.42,868.58 v1(3135,845)
  Top Layer w20: U3.6@2416,2120 v1(2416,2180)
  Bottom Layer w20: R15.2@2416,2115 v1(2416,2180) 2416,2204 2385,2235 2300,2235 2270,2205 2270,1850 2400,1720 2400,1095 2465,1030 2825,1030 2860,995 2860,895 2910,845 v1(3135,845)
A5: U1.21 U5.18 | length 932
  Top Layer w10: U1.21@3131.1,980.59 3131.1,888.9 3250,770 3420,770 3655,535 3740,535 U5.18@3800,595
A6: U1.22 U5.15 | length 841.8
  Top Layer w10: U1.22@3150.79,980.59 3150.79,1070.79 v1(3170,1090)
  Bottom Layer w10: v1(3170,1090) 3150,1070 3150,1015 3210,955 3480,955 3640,795 U5.15@3700,795
A7: U1.23 U5.20 | length 807.7
  Top Layer w10: U1.23@3170.47,980.59 3170.47,1030.31 v1(3190.16,1050)
  Bottom Layer w10: v1(3190.16,1050) 3255.16,985 3495,985 3635,845 3775,845 3800,820 U5.20@3800,795
A8: U1.41 U5.33 | length 1170.7
  Top Layer w10: U1.41@3424.41,1214.84 3489.84,1214.84 3525,1250 v1(3525,1665)
  Bottom Layer w10: v1(3525,1665) 3525,1905 3565,1945 3730,1945 3750,1965 3750,2045 U5.33@3800,2095
A9: U1.42 U5.3 | length 1005.5
  Top Layer w10: U1.42@3424.41,1234.53 3479.53,1234.53 3505,1260 3505,1645 v1(3485,1665)
  Bottom Layer w10: v1(3485,1665) 3485,1720 3485,1920 3560,1995 U5.3@3700,1995
AudioL: IC5.6 R31.2 | length 1315.9
  Top Layer w15: IC5.6@1243.46,1034.02 1243.46,963.54 1262,945 2460,945 R31.2@2475,930
AudioR: IC5.7 R32.2 | length 1269.8
  Top Layer w15: IC5.7@1269.06,1034.02 1269.06,980.94 1280,970 2460,970 R32.2@2475,985
B0: U1.26 U5.32 | length 1827.1
  Top Layer w10: v1(3220,1090) 3229.53,1080.47 U1.26@3229.53,980.59
  Bottom Layer w10: v1(3220,1090) 3290,1020 3535,1020 3560,1045 3855,1045 3900,1090 3900,1945 3850,1995 U5.32@3800,1995
B1: U1.27 U5.4 | length 1609.8
  Top Layer w10: U1.27@3249.21,980.59 3249.21,1104.21 v1(3310,1165)
  Bottom Layer w10: v1(3310,1165) 3490,1345 3840.18,1345 3875,1379.82 3875,1920 3850,1945 3765,1945 3715,1895 U5.4@3700,1895
B2: U1.28 U5.31 | length 1345.7
  Top Layer w10: U1.28@3268.9,980.59 3268.9,1078.9 v1(3280,1090)
  Bottom Layer w10: v1(3280,1090) 3280,1185 3540,1445 3825,1445 3850,1470 3850,1850 3805,1895 U5.31@3800,1895
B3: U1.55 U5.5 | length 750.8
  Top Layer w10: U1.55@3229.53,1429.41 3229.53,1534.53 3330,1635 3410,1635 v1(3440,1665) ; v1(3440,1780) 3520,1780 3535,1795 U5.5@3700,1795
  Bottom Layer w10: v1(3440,1665) v1(3440,1780)
B4: U1.56 U5.30 | length 935.6
  Top Layer w10: U1.56@3209.84,1429.41 3209.84,1549.84 3325,1665 v1(3390,1665) ; v1(3395,1810) 3480,1810 3515,1845 3750,1845 U5.30@3800,1795
  Bottom Layer w10: v1(3390,1665) 3390,1805 v1(3395,1810)
B5: U1.57 U5.6 | length 696.4
  Top Layer w10: U1.57@3190.16,1429.41 3190.16,1560.16 3325,1695 U5.6@3700,1695
B6: U1.58 U5.29 | length 864.6
  Top Layer w10: U1.58@3170.47,1429.41 3170.47,1572.2 3343.27,1745 3650,1745 3750,1745 U5.29@3800,1695
B7: U1.59 U5.7 | length 714.8
  Top Layer w10: U1.59@3150.79,1429.41 v1(3150.79,1595)
  Bottom Layer w10: v1(3150.79,1595) U5.7@3700,1595
B8: U1.61 U5.28 | length 905.2
  Top Layer w10: U1.61@3111.42,1429.41 3111.42,1611.42 v1(3125,1625)
  Bottom Layer w10: v1(3125,1625) 3660,1625 3680,1645 3750,1645 U5.28@3800,1595
B9: U1.62 U5.8 | length 789.4
  Top Layer w10: v1(3080,1565) 3091.73,1553.27 U1.62@3091.73,1429.41
  Bottom Layer w10: v1(3080,1565) 3630,1565 U5.8@3700,1495
B10: U1.29 U5.27 | length 1359
  Top Layer w10: U1.29@3288.58,980.59 3288.58,921.42 3365,845 3835,845 3890,900 3890,1425 3820,1495 U5.27@3800,1495
B11: U1.30 U5.9 | length 652.8
  Top Layer w10: U1.30@3308.27,980.59 v1(3308.27,1053.27) ; v1(3625,1305) 3625,1320 U5.9@3700,1395
  Bottom Layer w10: v1(3308.27,1053.27) 3308.27,1118.27 3495,1305 v1(3625,1305)
B12: U1.33 U5.26 | length 735.5
  Top Layer w10: U1.33@3424.41,1057.36 3587.36,1057.36 3675,1145 3830,1145 3850,1165 3850,1370 3825,1395 U5.26@3800,1395
B13: U1.34 U5.10 | length 430.3
  Top Layer w10: U1.34@3424.41,1077.05 3567.05,1077.05 v1(3610,1120)
  Bottom Layer w10: v1(3610,1120) 3610,1230 3675,1295 U5.10@3700,1295
B14: U1.35 U5.25 | length 497
  Top Layer w10: U1.35@3424.41,1096.73 3541.73,1096.73 3610,1165 3635,1165 v1(3640,1160)
  Bottom Layer w10: v1(3640,1160) 3640,1220 3665,1245 3750,1245 U5.25@3800,1295
B15: U1.36 U5.11 | length 308.1
  Top Layer w10: U1.36@3424.41,1116.42 3526.42,1116.42 3605,1195 U5.11@3700,1195
BCK: IC1.10 IC5.13 | length 841.3
  Top Layer w10: IC5.13@1294.65,1260 1294.65,1205.35 1295,1205 v1(1296.06,1205)
  Top Layer w20: IC1.10@885,1640 1192.06,1640 1294.65,1537.41 v1(1294.65,1515)
  Bottom Layer w10: v1(1294.65,1515) 1296.06,1513.59 v1(1296.06,1205)
C1: R13.2 U1.9 | length 1052.7
  Top Layer w10: U1.9@2975.59,1195.16 3032.68,1195.16 3065,1227.48 3065,1280 3065,1317.64 3025,1357.64 3025,1640 3040,1655 3040,1790
  Top Layer w20: 3040,1790 3065,1815 3185,1815 3235,1865 R13.2@3373.51,1865
C2: IC3.3 R23.2 U1.10 | length 1554.6
  Top Layer w10: v1(2525,1470) 2490,1435 2490,1120 2535,1075 2692.92,1075 2793.39,1175.47 U1.10@2975.59,1175.47 ; v1(2632.63,1665) 2635,1665 2689.99,1719.99 v1(2695,1719.99)
  Top Layer w20: v1(2795,1870) 2809.06,1884.06 R23.2@2840,1884.06 IC3.3@2902.6,1884.06
  Bottom Layer w10: v1(2525,1470) 2525,1557.37 v1(2632.63,1665)
  Bottom Layer w20: v1(2695,1719.99) 2695,1735 2740,1780 2765,1780 2795,1810 v1(2795,1870)
C4: U1.24 U5.17 | length 734.4
  Top Layer w10: U1.24@3190.16,980.59 3190.16,869.84 3265,795 3500,795 U5.17@3700,595
C5: U1.25 U5.16 | length 664.4
  Top Layer w10: U1.25@3209.84,980.59 3209.84,885.16 3275,820 3575,820 U5.16@3700,695
C6: U1.37 U5.12 | length 411.9
  Top Layer w10: v1(3368.9,1136.1) U1.37@3424.41,1136.1
  Bottom Layer w10: v1(3368.9,1136.1) 3420,1085 3690,1085 U5.12@3700,1095
C7: U1.38 U5.1 | length 1613.4
  Top Layer w10: U1.38@3424.41,1155.79 3520.79,1155.79 3585,1220 3585,1601.59 v1(3648.41,1665) ; v1(3640,1905) 3640,1925 3660,1945 3735,1945 3750,1960 3750,2025 3770,2045 3835,2045 3855,2065 3855,2235 3840,2250 3710,2250 3700,2240 U5.1@3700,2195
  Bottom Layer w10: v1(3640,1905) 3648.41,1896.59 v1(3648.41,1665)
C8: U1.39 U5.34 | length 1286.7
  Top Layer w10: U1.39@3424.41,1175.47 3510.47,1175.47 3565,1230 3565,1621.2 v1(3608.8,1665) ; v1(3595,1905) 3595,1995 3645,2045 3730,2045 3750,2065 3750,2145 U5.34@3800,2195
  Bottom Layer w10: v1(3595,1905) 3608.8,1891.2 v1(3608.8,1665)
C9: U1.40 U5.2 | length 1099.4
  Top Layer w10: U1.40@3424.41,1195.16 3500.16,1195.16 3545,1240 3545,1645 v1(3565,1665) ; v1(3565,1872) 3565,2030 3630,2095 U5.2@3700,2095
  Bottom Layer w10: v1(3565,1665) v1(3565,1872)
C10: IC1.28 U1.51 | length 1887.5
  Top Layer w10: U1.51@3308.27,1429.41 3308.27,1483.27 3315,1490 v1(3315.58,1490)
  Top Layer w15: 2690,1580 2950,1580 v1(2990,1540)
  Top Layer w20: IC1.28@1554.29,1590 2040,1590 2055,1605 2665,1605 2690,1580
  Bottom Layer w10: v1(2990,1540) 3010,1520 3300,1520 3315.58,1504.42 v1(3315.58,1490)
C11: IC1.27 U1.52 | length 1827.1
  Top Layer w10: v1(3280,1490) 3288.58,1481.42 U1.52@3288.58,1429.41
  Top Layer w15: 2640,1550 2925,1550 v1(2980,1495)
  Top Layer w20: IC1.27@1554.29,1540 2065,1540 2085,1560 2630,1560 2640,1550
  Bottom Layer w10: v1(2980,1495) 2985,1490 v1(3280,1490)
CAPM: C40.2 IC5.4 | length 78.7
  Top Layer w10: IC5.4@1192.28,1034.02 1192.28,971.41 C40.2@1203.69,960